# Altium PCB PCB_LU_V2.4PcbDoc.PcbDoc (part 1 of 3)
Units mm, origin at the board's own origin, x right, y up, seen from the top; angles counter-clockwise.
Board outline 123.01 x 87.99 mm, 2 copper layers (Top Layer, Bottom Layer); 238 components, 147 nets, 677 pads, 1111 vias.
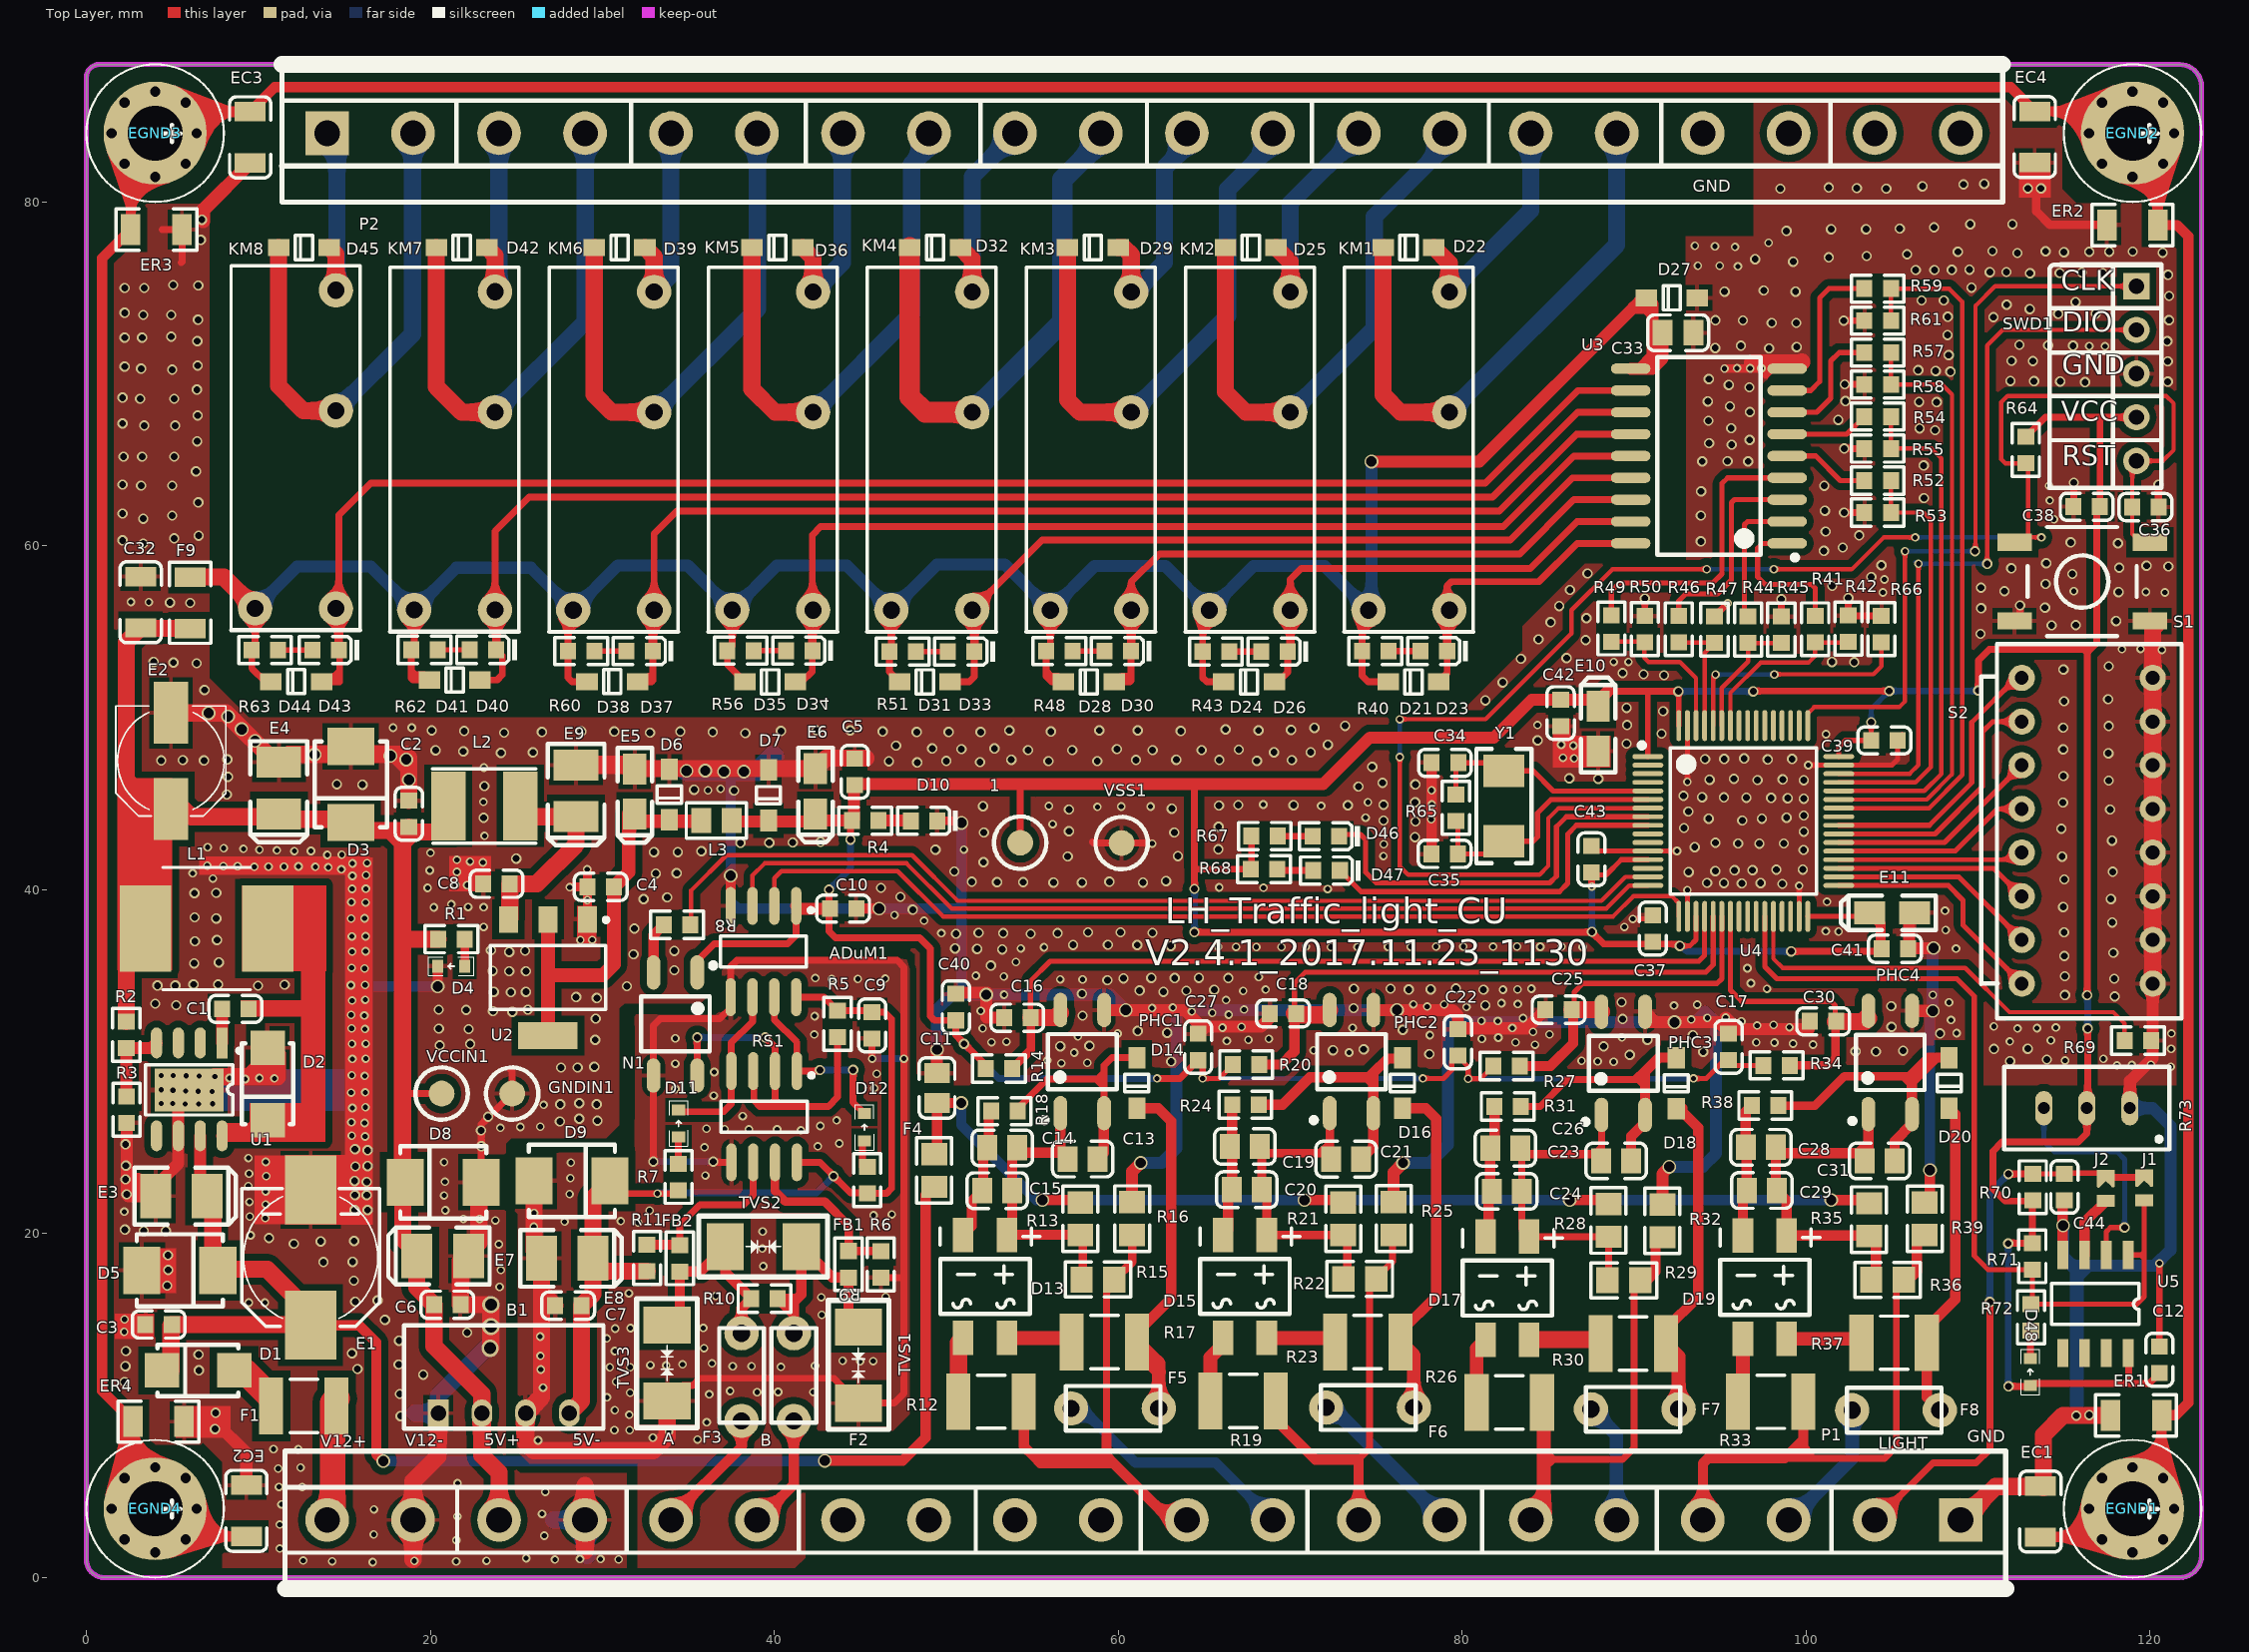
[diagram p0: Top Layer view]
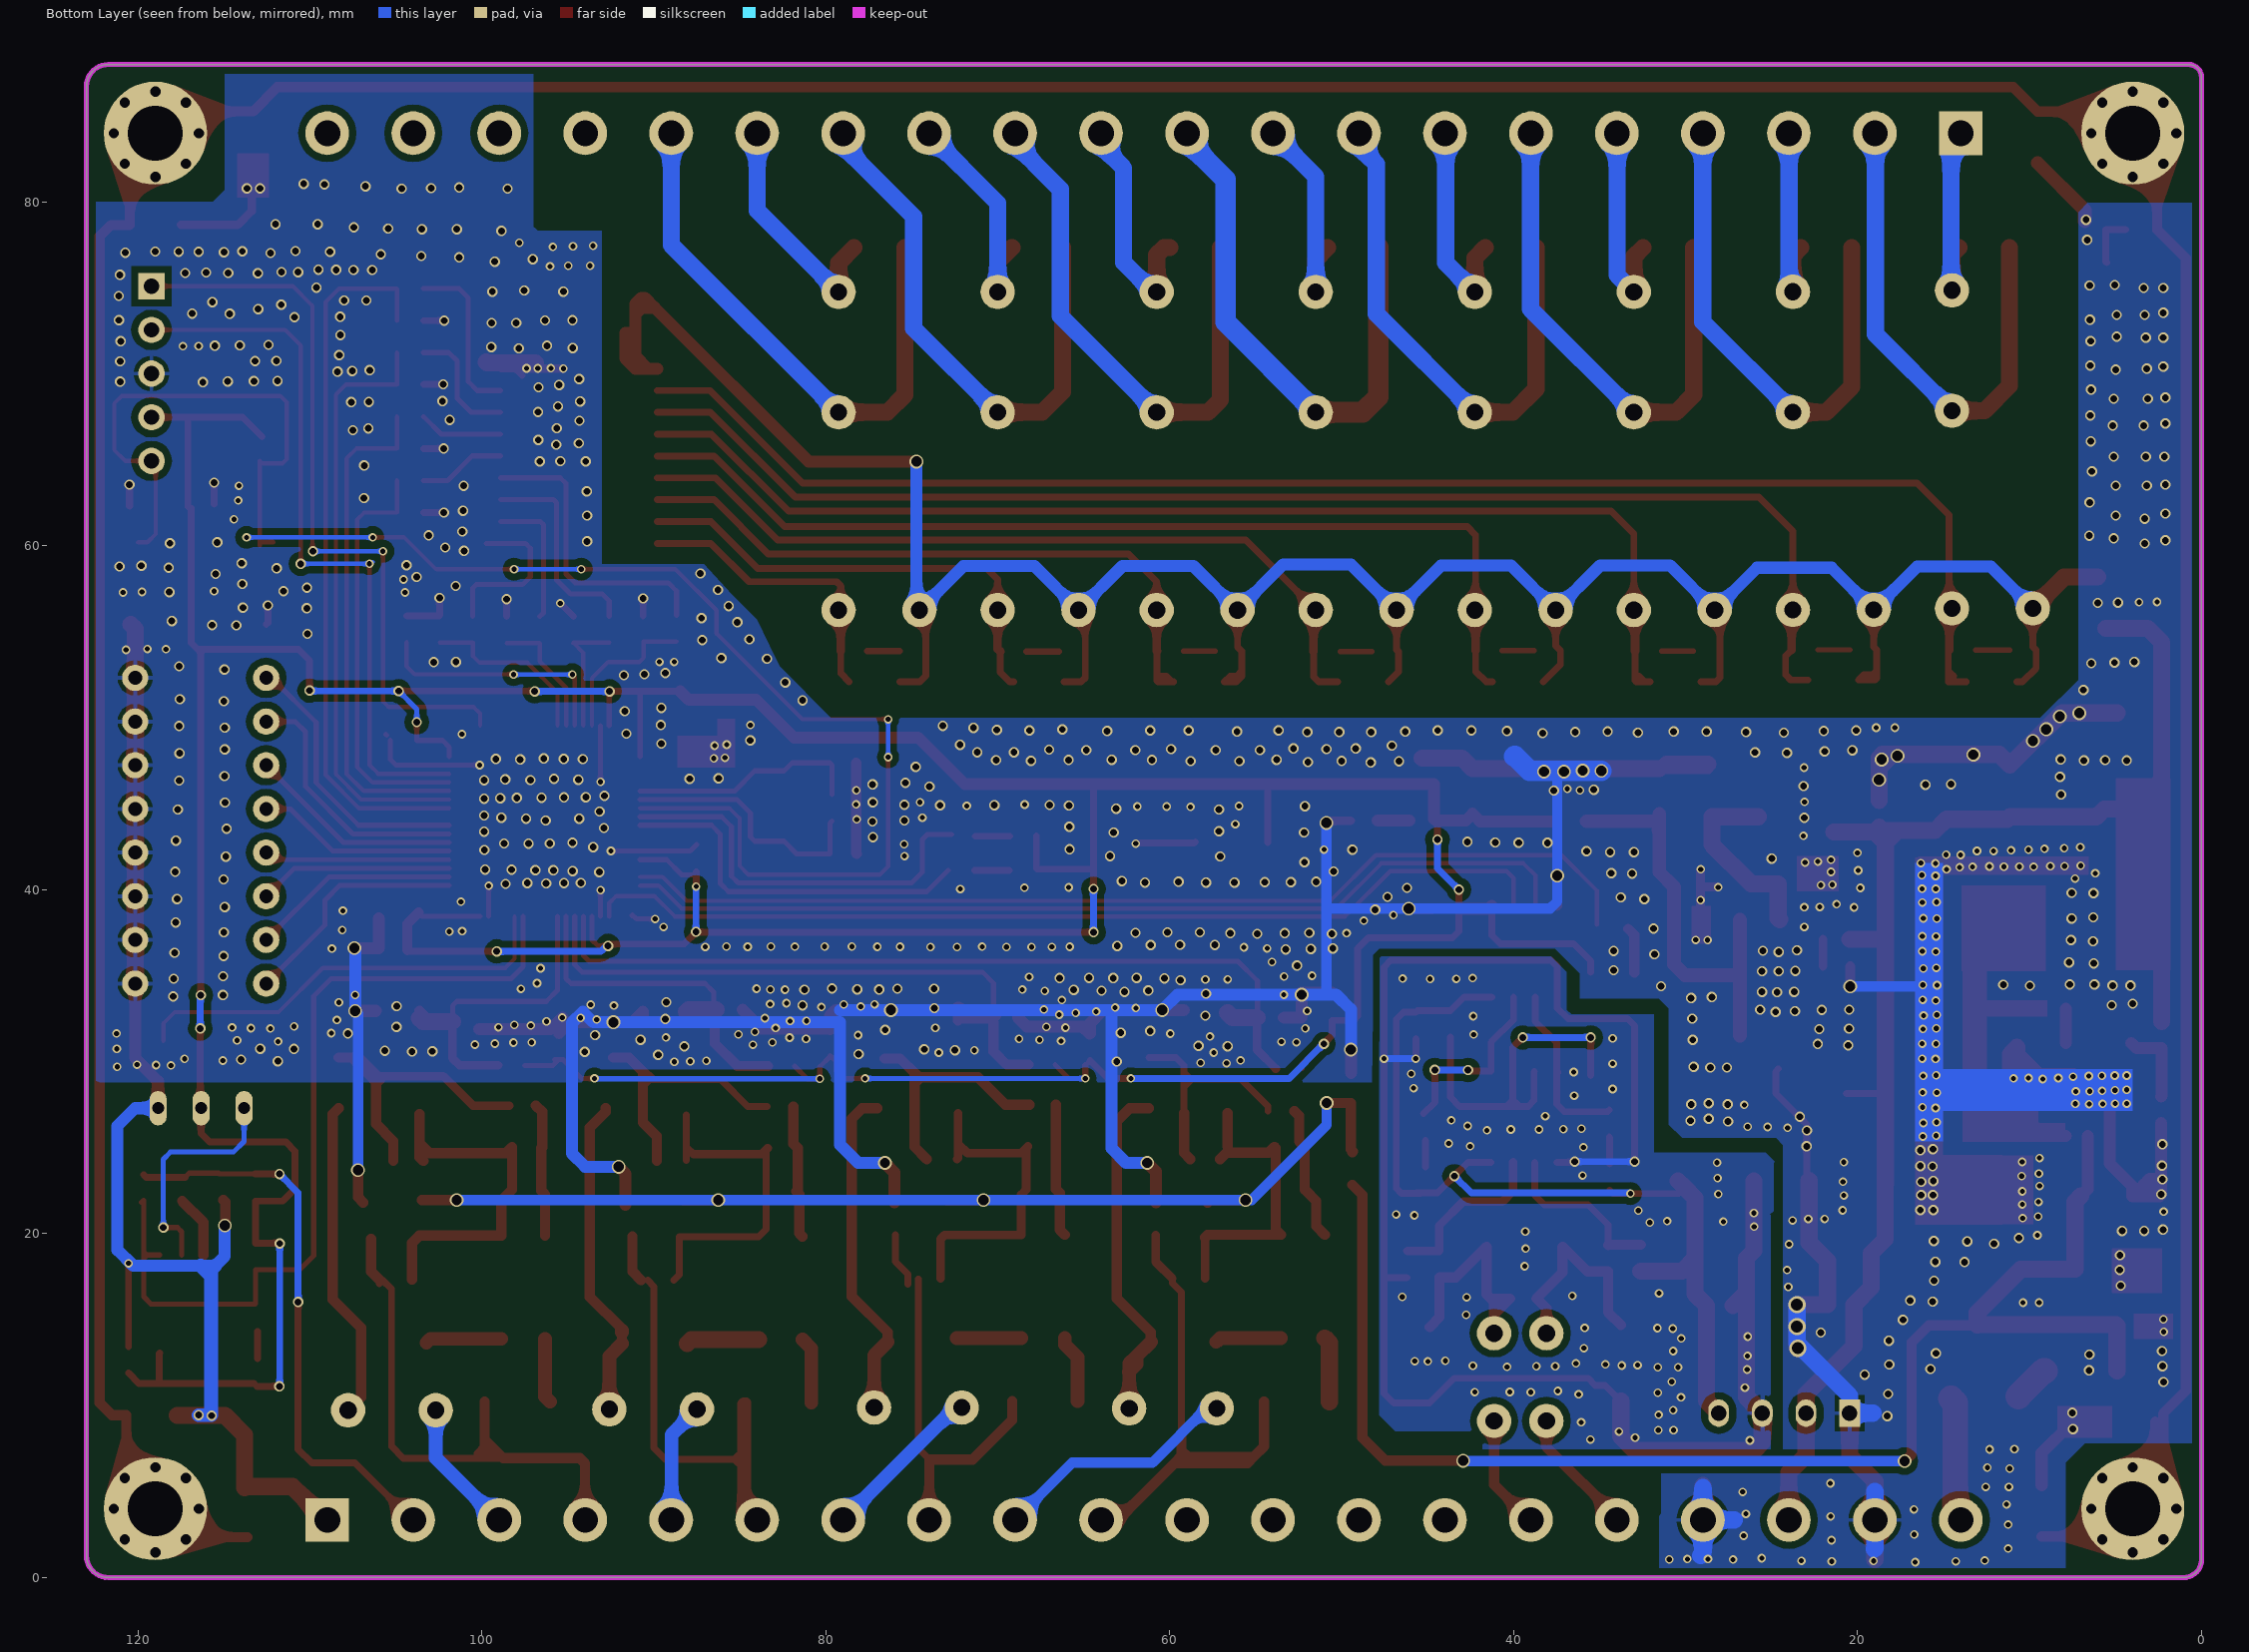
[diagram p1: Bottom Layer view, seen from below]
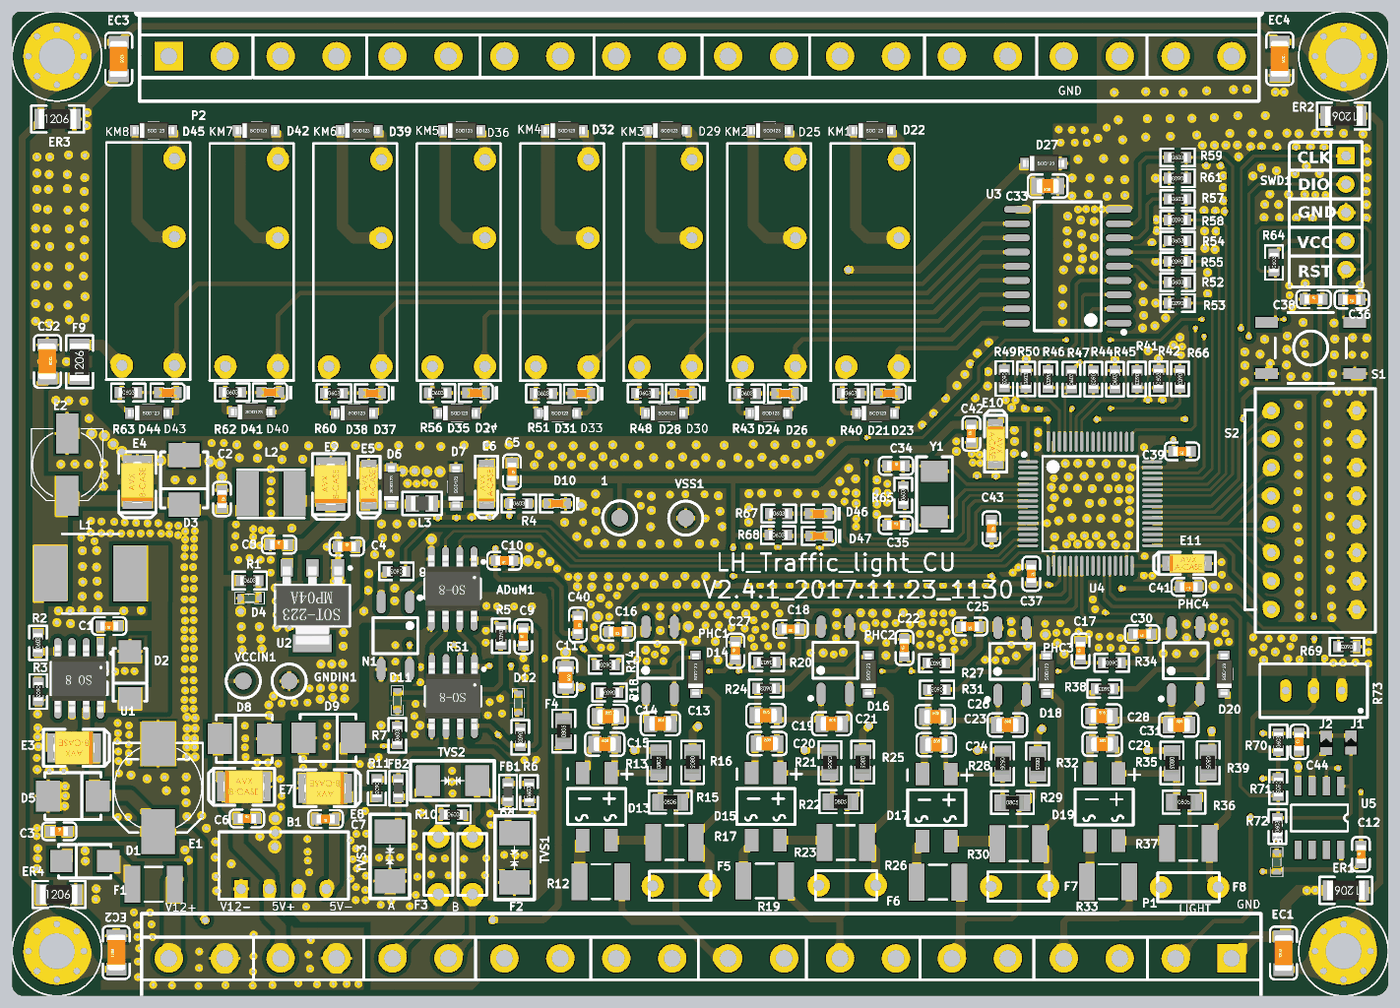
[diagram p4: 3D render of the assembled board from above, using the file's embedded part models]

## Layer stack, top to bottom
Top Solder: solder mask 0.0102, Solder Resist, Dk 3.5
Top Layer: signal copper 0.0356
Dielectric1: dielectric 0.32, FR-4, Dk 4.8
Bottom Layer: signal copper 0.0356
Bottom Solder: solder mask 0.0102, Solder Resist, Dk 3.5

## Board outline
0,1.052 0,87.252 cw(c0.742,87.252) 0.742,87.994 121.74,87.994 cw(c121.74,86.724) 123.01,86.724 123.01,1.27 cw(c121.74,1.27) 121.74,0 1.038,0 cw(c1.038,1.038)

## Design rules (kind name [scope] priority, off if disabled: settings)
Clearance Clearance-poly [InPolygon] p1: gap=0.4
Clearance Clearance-track [All] p2: gap=0.2
ComponentClearance [All] p1 off: gap=0.254 collisioncheckmode=3 verticalgap=0.254 showdistances=FALSE
HoleSize [All] p1: absolutevalues=TRUE maxlimit=4 minlimit=0.025 maxpercent=80.000 minpercent=20.000
PolygonConnect PolygonConnect_via [IsVia] p1: connectstyle=Direct reliefconductorwidth=0.254 reliefentries=4 polygonreliefangle="90 Angle" airgapwidth=0.254
PolygonConnect PolygonConnect_pad [All] p2: connectstyle=Relief reliefconductorwidth=0.254 reliefentries=4 polygonreliefangle="90 Angle" airgapwidth=0.254
RoutingVias [All] p1: holewidth=0.4 width=0.6 viastyle="Through Hole" minholewidth=0.3 minwidth=0.5 maxholewidth=1 maxwidth=4
SilkToSolderMaskClearance [IsPad] p1: minsilkscreentomaskgap=0 clearancetoexposedcopper=TRUE
SolderMaskExpansion [All] p1: expansion=0.102
Width [All] p1: maxlimit=2 minlimit=0.254 preferedwidth=0.4
27 further rules are at their usual default settings.

## Classes and differential pairs
component class STM32F103最小系统板: C34 C35 C36 C37 C38 C39 C40 C41 C42 C43 C44 C45 C46 C47 C48 D46 D47 D48 E10 E11 J1 J2 R64 R65 R66 R67 R68 R69 R70 R71 R72 R73 R88 R89 R92 R93 R94 S1 S2 SWD1 U4 U5 U8 Y1
component class SIX_OUTPORT-V2: C32 C33 D21 D22 D23 D24 D25 D26 D27 D28 D29 D30 D31 D32 D33 D34 D35 D36 D37 D38 D39 D40 D41 D42 D43 D44 D45 F9 KM1 KM2 KM3 KM4 KM5 KM6 KM7 KM8 KM? P2 P5 R40 R41 R42 R43 R44 R45 R46 R47 R48 R49 R50 R51 R52 R53 R54 R55 R56 R57 R58 R59 R60 R61 R62 R63 U3
component class SIX-INPORT: C11 C12 C13 C14 C15 C16 C17 C18 C19 C20 C21 C22 C23 C24 C25 C26 C27 C28 C29 C30 C31 D13 D14 D15 D16 D17 D18 D19 D20 F4 F5 F6 F7 F8 P1 PHC1 PHC2 PHC3 PHC4 R12 R13 R14 R15 R16 R17 R18 R19 R20 R21 R22 R23 R24 R25 R26 R27 R28 R29 R30 R31 R32 R33 R34 R35 R36 R37 R38 R39
component class RS485: ADuM1 C9 C10 D11 D12 F2 F3 FB1 FB2 N1 R5 R6 R7 R8 R9 R10 R11 RS1 TVS1 TVS2 TVS3
component class POWER: 1 B1 C1 C2 C3 C4 C5 C6 C7 C8 D1 D2 D3 D4 D5 D6 D7 D8 D9 D10 E1 E2 E3 E4 E5 E6 E7 E8 E9 EC1 EC2 EC3 EC4 EGND1 EGND2 EGND3 EGND4 ER1 ER2 ER3 ER4 F1 GNDIN1 L1 L2 L3 R1 R2 R3 R4 U1 U2 VCCIN1 VSS1

## Components (designator, comment, footprint, x,y, rotation, side; value= is the part's Value field where it differs from the comment)
1 "CHECK" CHECK-B 54.306,42.734 r90 top
ADuM1 "ADuM1201" SOIC-8 39.374,36.406 r270 top
B1 "B0505" B0505D-1WR2 20.462,9.56 r0 top
C1 "0.01uF" LC-0603_C 8.67,33.07 r180 top
C2 "100nf" LC-0603_C 18.752,44.422 r270 top
C3 "100nf" LC-0603_C 4.206,14.716 r0 top
C4 "100nf" LC-0603_C 29.91,40.168 r0 top
C5 "100nf" LC-0603_C 44.682,46.862 r270 top
C6 "104" LC-0603_C 20.986,15.864 r0 top
C7 "104" LC-0603_C 28.016,15.814 r180 top
C8 "100nf" LC-0603_C 23.852,40.346 r0 top
C9 "104" LC-0603_C 45.696,32.112 r90 top
C10 "104" LC-0603_C 44.004,38.902 r180 top
C11 "104" LC-0805_C#1 49.468,28.474 r270 top
C12 "104" LC-0603_C 120.558,12.664 r90 top
C13 "104" LC-0805_C#1 57.944,24.336 r0 top
C14 "10uf/16V" LC-0805_C#1 53.27,24.992 r0 top
C15 "10uf/16V" LC-0805_C#1 52.97,22.5 r0 top
C16 "104" LC-0603_C 54.134,32.556 r180 top
C17 "104" LC-0603_C 95.504,30.858 r90 top
C18 "104" LC-0603_C 69.59,32.804 r180 top
C19 "10uf/16V" LC-0805_C#1 67.372,25.074 r0 top
C20 "10uf/16V" LC-0805_C#1 67.477,22.559 r0 top
C21 "104" LC-0805_C#1 73.26,24.33 r0 top
C22 "104" LC-0603_C 79.758,31.122 r90 top
C23 "10uf/16V" LC-0805_C#1 82.519,24.974 r0 top
C24 "10uf/16V" LC-0805_C#1 82.599,22.459 r0 top
C25 "104" LC-0603_C 85.624,33.022 r180 top
C26 "104" LC-0805_C#1 88.964,24.228 r0 top
C27 "104" LC-0603_C 64.654,30.85 r90 top
C28 "10uf/16V" LC-0805_C#1 97.381,25.024 r0 top
C29 "10uf/16V" LC-0805_C#1 97.436,22.509 r0 top
C30 "104" LC-0603_C 101.008,32.348 r180 top
C31 "104" LC-0805_C#1 104.288,24.228 r0 top
C32 "0.1uF (104) 10% 50V" LC-1206_C 3.154,56.722 r270 top
C33 "1uF (105) 10% 50V" LC-0805_C#2 92.566,72.396 r180 top
C34 "22pF" LC-0603_C 79.008,47.384 r0 top
C35 "22pF" LC-0603_C 78.988,42.089 r0 top
C36 "100nf" LC-0603_C 119.746,62.256 r180 top
C37 "100nf" LC-0603_C 91.098,37.742 r270 top
C38 "100nf" LC-0603_C 116.332,62.276 r0 top
C39 "100nf" LC-0603_C 104.566,48.684 r180 top
C40 "100nf" LC-0603_C 50.568,33.172 r270 top
C41 "100nf" LC-0603_C 105.178,36.566 r180 top
C42 "100nf" LC-0603_C 85.74,50.272 r90 top
C43 "100nf" LC-0603_C 87.53,41.772 r270 top
C44 "100nf" LC-0603_C 115.036,22.72 r90 top
D1 "SS34" LC-SMA(DO-214AC)_S1 6.492,12.042 r0 top
D2 "Diode-Z" LC-SMA(DO-214AC)_S1 10.536,28.708 r90 top
D3 "smbj5.0ca" LC-SMB(DO-214AA)_S1 15.376,46.128 r90 top
D4 "LED" 0603_LED_G 21.22,35.576 r180 top
D5 "smbj24ca" LC-SMB(DO-214AA)_S1 5.432,17.864 r180 top
D6 "smbj5.0ca" LC-SOD-123 33.9,45.532 r90 top
D7 "smbj5.0ca" LC-SOD-123 39.67,45.502 r90 top
D8 "smbj5.0ca" LC-SMB(DO-214AA)_S1 20.754,22.984 r0 top
D9 "smbj5.0ca" LC-SMB(DO-214AA)_S1 28.24,23.068 r180 top
D10 "红灯 0603" LC-0603_LED_S1 48.71,44.008 r180 top
D11 "绿灯 0603" 0603_LED_G 34.466,26.402 r90 top
D12 "绿灯 0603" 0603_LED_G 45.278,26.19 r90 top
D13 "MB10S" LC-MBS 52.262,16.932 r270 top
D14 "1N4148" LC-SOD-123 61.092,28.76 r90 top
D15 "MB10S" LC-MBS 67.378,16.932 r270 top
D16 "1N4148" LC-SOD-123 76.536,28.762 r90 top
D17 "MB10S" LC-MBS 82.637,16.832 r270 top
D18 "1N4148" LC-SOD-123 92.466,28.75 r90 top
D19 "MB10S" LC-MBS 97.611,16.882 r270 top
D20 "1N4148" LC-SOD-123 108.332,28.762 r90 top
D21 "1n4007" LC-SOD-123 77.178,52.094 r0 top
D22 "1N4007" LC-SOD-123 76.89,77.348 r0 top
D23 "白灯 0805" LC-0603_LED_S1 78.368,53.882 r180 top
D24 "1n4007" LC-SOD-123 67.614,52.094 r0 top
D25 "1N4007" LC-SOD-123 67.713,77.348 r0 top
D26 "白灯 0805" LC-0603_LED_S1 69.086,53.854 r180 top
D27 "1N4007" LC-SOD-123 92.206,74.422 r0 top
D28 "1n4007" LC-SOD-123 58.3,52.094 r0 top
D29 "1N4007" LC-SOD-123 58.536,77.348 r0 top
D30 "白灯 0805" LC-0603_LED_S1 59.976,53.88 r180 top
D31 "1n4007" LC-SOD-123 48.762,52.094 r0 top
D32 "1N4007" LC-SOD-123 49.359,77.348 r0 top
D33 "白灯 0805" LC-0603_LED_S1 50.876,53.854 r180 top
D34 "白灯 0805" LC-0603_LED_S1 41.45,53.906 r180 top
D35 "1n4007" LC-SOD-123 39.762,52.094 r0 top
D36 "1N4007" LC-SOD-123 40.181,77.348 r0 top
D37 "白灯 0805" LC-0603_LED_S1 32.17,53.88 r180 top
D38 "1n4007" LC-SOD-123 30.586,52.104 r0 top
D39 "1N4007" LC-SOD-123 31.004,77.348 r0 top
D40 "白灯 0805" LC-0603_LED_S1 23.072,53.956 r180 top
D41 "1n4007" LC-SOD-123 21.416,52.198 r0 top
D42 "1N4007" LC-SOD-123 21.827,77.348 r0 top
D43 "白灯 0805" LC-0603_LED_S1 13.908,53.938 r180 top
D44 "1n4007" LC-SOD-123 12.208,52.104 r0 top
D45 "1N4007" LC-SOD-123 12.65,77.348 r0 top
D46 "绿灯 0603" LC-0603_LED_S1 72.088,43.112 r180 top
D47 "绿灯 0603" LC-0603_LED_S1 72.128,41.118 r180 top
D48 "绿灯 0603" 0603_LED_G 113.072,11.952 r90 top
E1 "25V/220uf" C-RB-SD8 13.044,18.612 r90 top
E2 "220uF/16V" C-RB-SD6 4.916,47.492 r90 top
E3 "10uf" LC-CASE-B_3528 5.528,22.182 r0 top
E4 "22uF" LC-CASE-B_3528 11.192,45.918 r270 top
E5 "TAJA106M010RNJ" LC-CASE-A_3216 31.888,45.706 r270 top
E6 "TAJA106M010RNJ" LC-CASE-A_3216 42.396,45.728 r270 top
E7 "22UF" LC-CASE-B_3528 20.724,18.702 r180 top
E8 "22UF" LC-CASE-B_3528 27.966,18.566 r0 top
E9 "22uF" LC-CASE-B_3528 28.48,45.748 r270 top
E10 "TAJA106M010RNJ" LC-CASE-A_3216 87.914,49.364 r90 top
E11 "TAJA106M010RNJ" LC-CASE-A_3216 105.012,38.664 r180 top
EC1 "103 200V" LC-1206_C 113.64,3.836 r90 top
EC2 "103 200V" LC-1206_C 9.302,3.88 r90 top
EC3 "103 200V" LC-1206_C 9.53,83.76 r270 top
EC4 "103 200V" LC-1206_C 113.306,83.782 r270 top
EGND1 "EGND" H-6-3.2 119,4 r0 top
EGND2 "EGND" H-6-3.2 119,84 r0 top
EGND3 "EGND" H-6-3.2 4,84 r0 top
EGND4 "EGND" H-6-3.2 4,4 r0 top
ER1 "1M" LC-1206_R 119.204,9.434 r180 top
ER2 "1M" LC-1206_R 118.992,78.66 r180 top
ER3 "1M" LC-1206_R 4.07,78.388 r0 top
ER4 "1M" LC-1206_R 4.192,9.066 r0 top
F1 "Fuse2" 1812 12.648,9.982 r180 top
F2 "JK250-120U" ntc250v 41.14,14.207 r270 top
F3 "JK250-120U" ntc250v 38.1,14.207 r270 top
F4 "Fuse1" 0805-1 49.306,23.674 r90 top
F5 "JK250-120U" ntc250v 57.266,9.838 r0 top
F6 "JK250-120U" ntc250v 72.1,9.884 r0 top
F7 "JK250-120U" ntc250v 87.5,9.784 r0 top
F8 "JK250-120U" ntc250v 102.688,9.728 r0 top
F9 "Fuse1" LC-1206_R 6.032,56.686 r90 top
FB1 "0R" LC-0603_L 44.325,18.222 r90 top
FB2 "0R" LC-0603_L 34.515,18.567 r90 top
GNDIN1 "CHECK" CHECK-B 24.764,28.146 r180 top